# KiCad board hypjolin-main.kicad_pcb
title: The Hypjolin Box; company: Triglav Modular; note: Circuit by Rob Hordijk & Ian Fritz
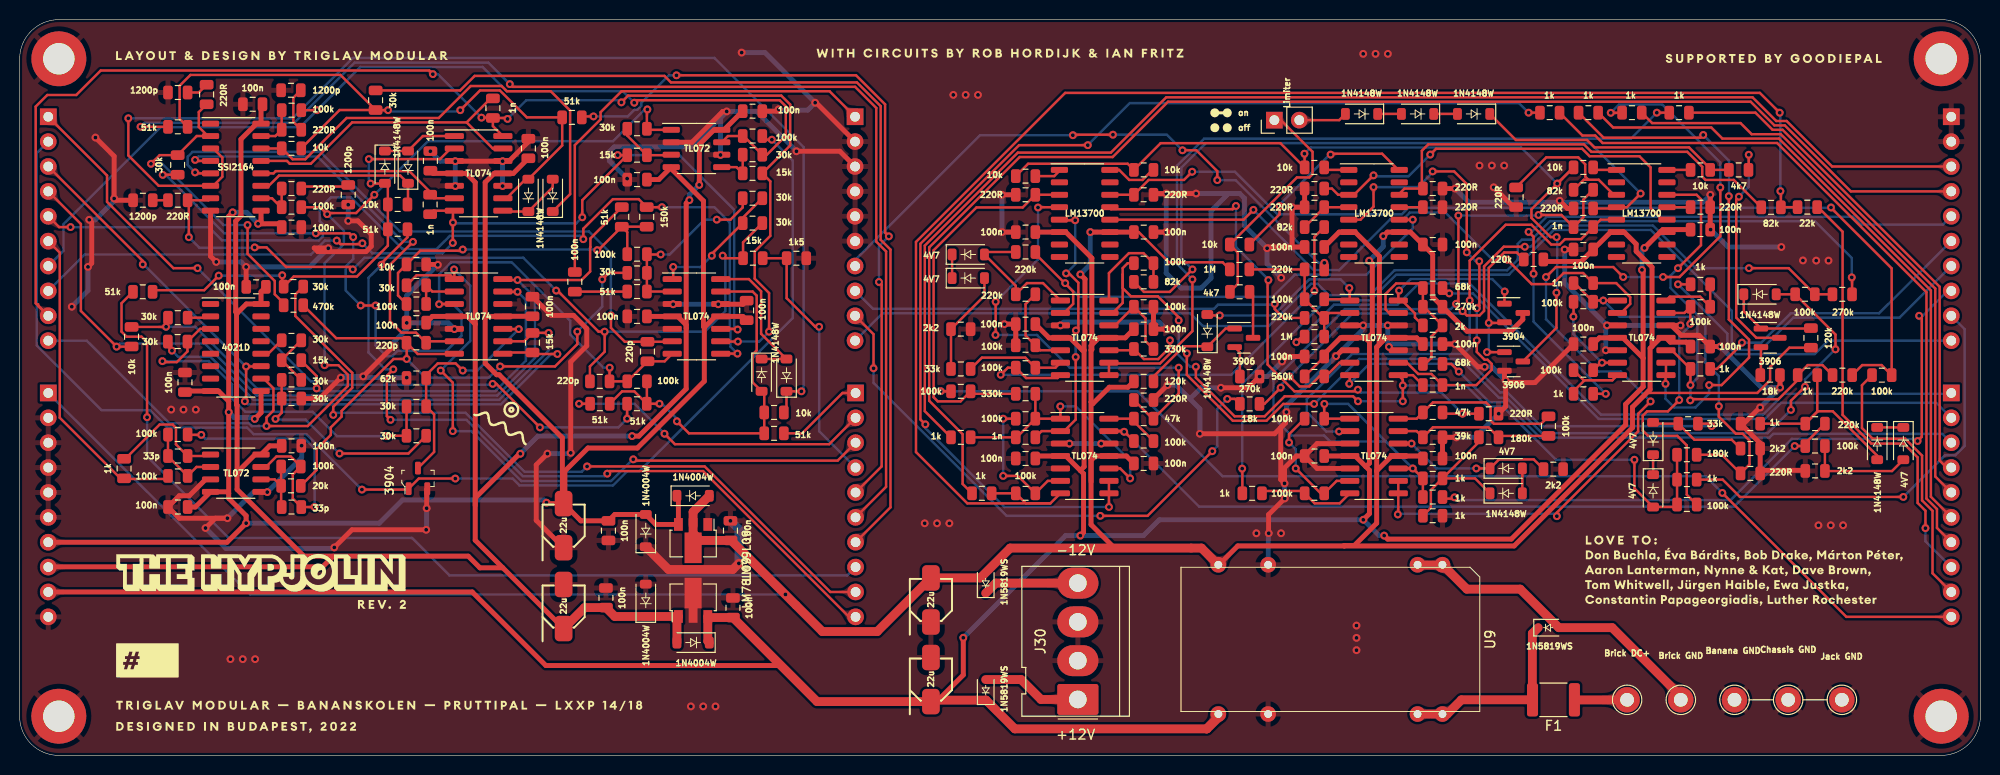
[diagram p0: board, top side]
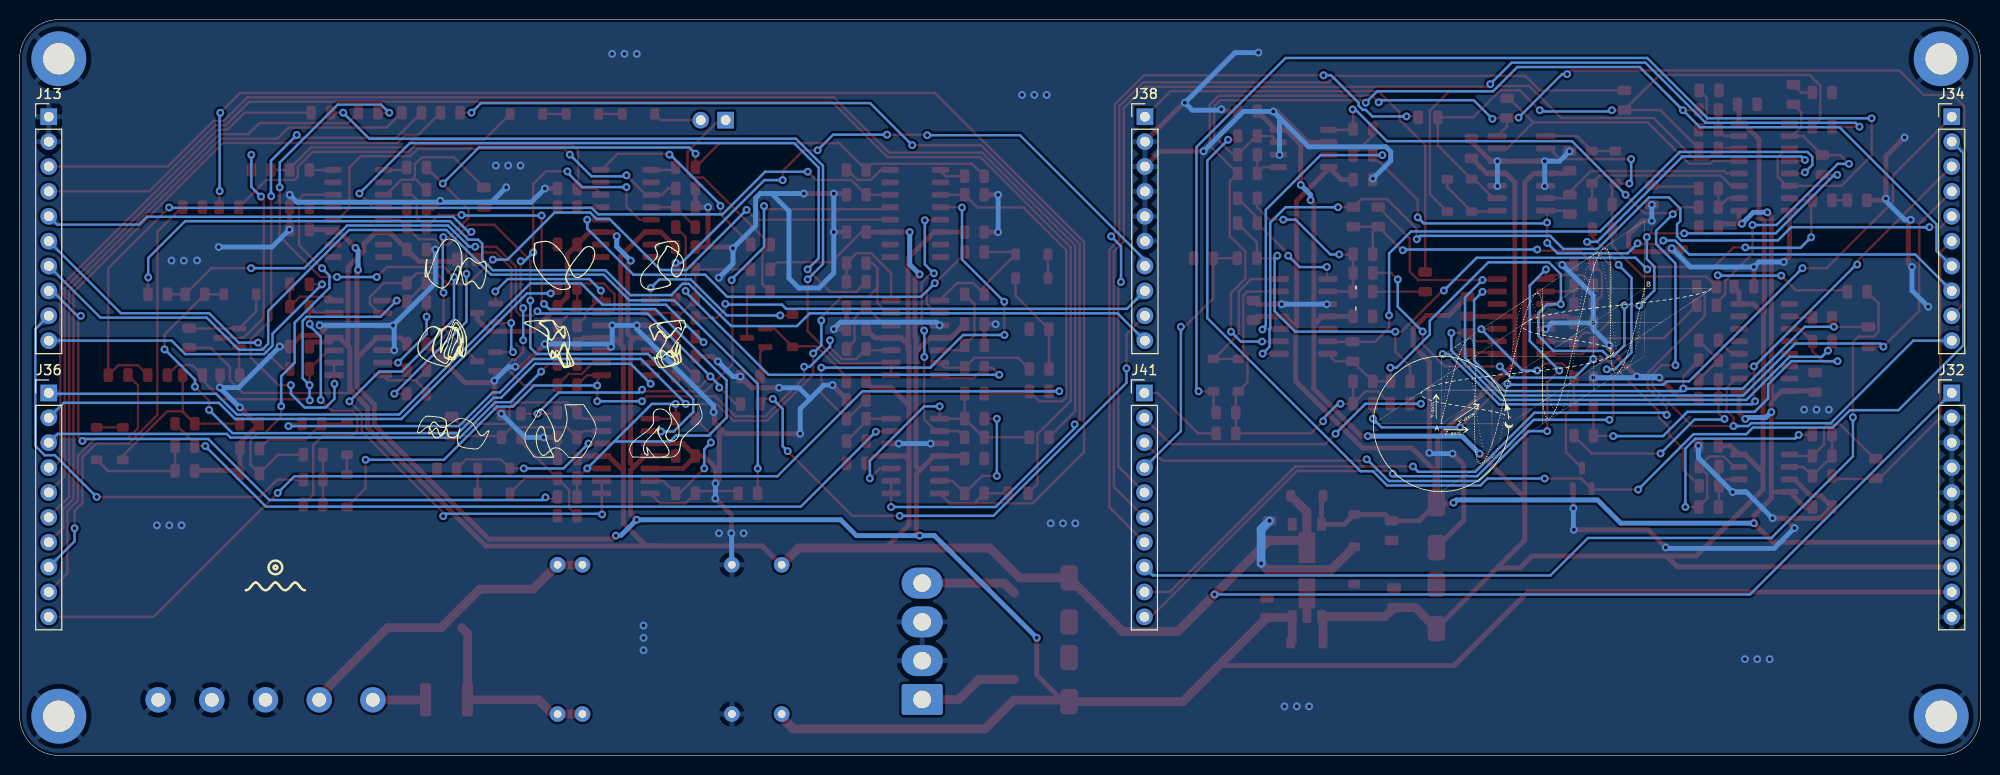
[diagram p1: board, bottom side, seen from below]

Outline 200 x 75.12 mm; copper layers: Top, Bottom. Coordinates in mm from the lower left corner of the outline.
Outline path: 0,71.12 0,4 arc(1.17,1.17) 4,0 196,0 arc(198.83,1.17) 200,4 200,71.12 arc(198.83,73.95) 196,75.12 4,75.12 arc(1.17,73.95) 0,71.12
Stack: Top 0.035mm / dielectric 1.51mm FR4 er 4.5 / Bottom 0.035mm

## Placement (name value [footprint] x y rotation side)
C1  1200p  [C_0805_2012Metric]  27.68 67.91 180 top
C2  1200p  [C_0805_2012Metric]  33.52 57.24 270 top
C3  1n  [C_0805_2012Metric]  48.27 66.08 270 top
C4  1n  [C_0805_2012Metric]  41.88 56.25 270 top
C5  100n  [C_0805_2012Metric]  56.63 48.35 270 top
C6  1200p  [C_0805_2012Metric]  12.57 56.68 0 top
C7  220p  [C_0805_2012Metric]  59.17 38.19 0 top
C8  220p  [C_0805_2012Metric]  64.04 41.23 270 top
C9  1200p  [C_0805_2012Metric]  16.13 67.68 0 top
C10  220p  [C_0805_2012Metric]  40.47 42.13 180 top
C11  100n  [C_0805_2012Metric]  72.76 15.07 90 top
C12  100n  [C_0805_2012Metric]  72.51 22.95 270 top
C13  100n  [C_0805_2012Metric]  59.81 16.09 90 top
C14  100n  [C_0805_2012Metric]  60.06 22.95 90 top
C15  22u  [CAPAE430X610N]  55.49 15.2 90 top
C16  22u  [CAPAE430X610N]  55.49 23.46 90 top
C17  100n  [C_0805_2012Metric]  41.9 60.7 90 top
C18  100n  [C_0805_2012Metric]  51.9 61.97 270 top
C19  100n  [C_0805_2012Metric]  74.76 65.78 0 top
C20  100n  [C_0805_2012Metric]  62.98 58.79 0 top
C21  100n  [C_0805_2012Metric]  23.77 66.48 180 top
C22  100n  [C_0805_2012Metric]  27.73 53.94 180 top
C23  100n  [C_0805_2012Metric]  24.12 47.84 180 top
C24  100n  [C_0805_2012Metric]  16.86 38.09 270 top
C25  100n  [C_0805_2012Metric]  62.98 44.82 180 top
C26  100n  [C_0805_2012Metric]  74.16 45.43 270 top
C27  100n  [C_0805_2012Metric]  40.47 44.19 180 top
C28  100n  [C_0805_2012Metric]  52.31 45.83 270 top
C29  33p  [C_0805_2012Metric]  16.13 30.57 180 top
C30  100n  [C_0805_2012Metric]  27.73 31.6 0 top
C31  100n  [C_0805_2012Metric]  16.13 25.36 0 top
C32  33p  [C_0805_2012Metric]  27.73 25.36 0 top
C33  22u  [CAPAE430X610N]  92.95 7.75 90 top
C34  22u  [CAPAE430X610N]  92.95 15.87 90 top
C35  1n  [C_0805_2012Metric]  144.13 37.81 0 top
C36  1n  [C_0805_2012Metric]  159.5 53.94 0 top
C37  1n  [C_0805_2012Metric]  159.5 48.22 0 top
C38  1n  [C_0805_2012Metric]  102.61 32.47 0 top
C39  100n  [C_0805_2012Metric]  144.13 52.16 0 top
C40  100n  [C_0805_2012Metric]  132.07 51.91 0 top
C41  100n  [C_0805_2012Metric]  171.44 53.68 0 top
C42  100n  [C_0805_2012Metric]  114.65 29.81 180 top
C43  100n  [C_0805_2012Metric]  132.07 40.73 180 top
C44  100n  [C_0805_2012Metric]  114.65 43.52 180 top
C45  100n  [C_0805_2012Metric]  114.65 53.43 0 top
C46  100n  [C_0805_2012Metric]  159.5 51.65 0 top
C47  100n  [C_0805_2012Metric]  102.61 44.03 180 top
C48  100n  [C_0805_2012Metric]  144.13 42 180 top
C49  100n  [C_0805_2012Metric]  132.07 30.57 180 top
C50  100n  [C_0805_2012Metric]  171.44 41.75 180 top
C51  100n  [C_0805_2012Metric]  102.61 30.31 180 top
C52  100n  [C_0805_2012Metric]  102.61 53.43 0 top
C53  100n  [C_0805_2012Metric]  159.5 42 180 top
C54  100n  [C_0805_2012Metric]  144.13 30.31 180 top
D1  1N4148W  [D_SOD-123]  51.9 57.18 90 top
D2  1N4148W  [D_SOD-123]  37.26 60.06 270 top
D3  1N4148W  [D_SOD-123]  54.38 57.18 90 top
D4  1N4148W  [D_SOD-123]  39.61 60.06 90 top
D5  1N4148W  [D_SOD-123]  75.68 38.82 270 top
D6  1N4148W  [D_SOD-123]  78.22 38.82 90 top
D7  1N4004W  [D_SOD-123]  68.7 26.5 0 top
D8  1N4004W  [D_SOD-123]  68.7 11.52 180 top
D9  1N4004W  [D_SOD-123]  63.87 15.84 90 top
D10  1N4004W  [D_SOD-123]  63.87 22.95 90 top
D12  1N5819WS  [D_SOD-323]  98.54 6.69 90 top
D13  1N5819WS  [D_SOD-323]  98.54 17.62 90 top
D14  1N4148W  [D_SOD-123]  121.15 43.37 90 top
D15  4V7  [D_SOD-123]  96.76 51.14 0 top
D16  1N4148W  [D_SOD-123]  177.52 47.08 0 top
D17  4V7  [D_SOD-123]  96.76 48.73 0 top
D18  1N4148W  [D_SOD-123]  136.88 65.49 180 top
D19  1N4148W  [D_SOD-123]  142.59 65.49 180 top
D20  1N4148W  [D_SOD-123]  148.31 65.49 180 top
D21  4V7  [D_SOD-123]  166.61 27.01 270 top
D22  4V7  [D_SOD-123]  166.61 32.35 90 top
D23  1N4148W  [D_SOD-123]  151.63 26.76 0 top
D24  4V7  [D_SOD-123]  151.63 29.3 0 top
D25  1N4148W  [D_SOD-123]  189.47 31.84 270 top
D26  4V7  [D_SOD-123]  192.14 31.84 270 top
D33  1N5819WS  [D_SOD-323]  155.95 13.04 0 top
F1  mSMD030  [Fuse_1812_4532Metric]  156.45 5.68 180 top
G***  -  [LOGO]  38.58 5.15 0 top
G***#2  -  [LOGO]  24.74 2.99 0 top
G***#3  -  [LOGO]  33.05 18.8 0 top
G***#4  -  [LOGO]  106.32 71.73 0 top
G***#5  -  [LOGO]  186.07 71.19 0 top
G***#6  -  [LOGO]  176.02 18.81 0 top
G***#7  -  [LOGO]  49.42 15.44 0 top
G***#8  -  [LOGO]  19.24 9.38 0 top
G***#9  -  [LOGO]  30.66 71.47 0 top
G***#10  -  [LOGO]  144.96 41.27 180 bottom
G***#11  -  [LOGO]  45.35 40.66 180 bottom
IC1  4021D  [SO-16_3.9x9.9mm_P1.27mm]  22.05 41.65 0 top
IC2  TL074  [SO-14_3.9x8.65mm_P1.27mm]  46.82 59.43 0 top
IC3  SSI2164  [SO-16_3.9x9.9mm_P1.27mm]  22.05 60.06 0 top
IC4  TL072  [SO-8_3.9x4.9mm_P1.27mm]  69.04 61.97 0 top
IC5  TL074  [SO-14_3.9x8.65mm_P1.27mm]  46.82 44.82 0 top
IC6  TL074  [SO-14_3.9x8.65mm_P1.27mm]  69.04 44.82 0 top
IC7  LM78L09  [SOT-89-3]  68.7 15.84 90 top
IC8  LM79L09  [SOT-89-3]  68.7 21.93 270 top
IC9  TL072  [SO-8_3.9x4.9mm_P1.27mm]  22.05 28.81 0 top
J13  CONN_4_M  [PinHeader_1x10_P2.54mm_Vertical]  197.03 65.21 180 bottom
J14  Limiter  [PinHeader_1x02_P2.54mm_Vertical]  127.98 64.86 90 top
J26  Banana GND  [Pin_D1.4mm_L8.5mm_W2.8mm_FlatFork]  174.92 5.68 0 top
J27  Chassis GND  [Pin_D1.4mm_L8.5mm_W2.8mm_FlatFork]  180.39 5.68 0 top
J28  Brick DC+  [Pin_D1.4mm_L8.5mm_W2.8mm_FlatFork]  163.97 5.68 0 top
J29  Brick GND  [Pin_D1.4mm_L8.5mm_W2.8mm_FlatFork]  169.44 5.68 0 top
J30  Conn_01x04_Male  [Molex_KK-396_5273-04A_1x04_P3.96mm_Vertical_copy]  107.94 5.71 90 top
J32  CONN_5_M  [PinHeader_1x10_P2.54mm_Vertical]  2.92 37.01 180 bottom
J34  CONN_2_M  [PinHeader_1x10_P2.54mm_Vertical]  2.92 65.21 180 bottom
J36  CONN_6_M  [PinHeader_1x10_P2.54mm_Vertical]  197.03 37.01 180 bottom
J38  CONN_1_M  [PinHeader_1x10_P2.54mm_Vertical]  85.22 65.21 180 bottom
J41  CONN_3_M  [PinHeader_1x10_P2.54mm_Vertical]  85.27 37.01 180 bottom
J42  Jack GND  [Pin_D1.4mm_L8.5mm_W2.8mm_FlatFork]  185.87 5.68 0 top
Q1  3904  [SOT-23-3]  40.63 28.28 90 top
Q2  3906  [SOT-23]  124.87 42.63 0 top
Q3  3904  [SOT-23]  152.39 45.17 0 top
Q4  3906  [SOT-23]  178.55 42.63 0 top
Q5  3906  [SOT-23]  152.39 40.22 0 top
R1  51k  [R_0805_2012Metric]  56.34 65.14 180 top
R2  51k  [R_0805_2012Metric]  38.56 53.71 180 top
R3  30k  [R_0805_2012Metric]  36.31 66.89 270 top
R4  51k  [R_0805_2012Metric]  16.13 64.18 0 top
R5  30k  [R_0805_2012Metric]  27.93 47.86 180 top
R6  51k  [R_0805_2012Metric]  12.56 47.33 0 top
R7  10k  [R_0805_2012Metric]  27.73 61.98 180 top
R8  10k  [R_0805_2012Metric]  38.56 56.25 0 top
R9  220R  [R_0805_2012Metric]  27.73 63.88 180 top
R10  220R  [R_0805_2012Metric]  27.73 57.87 180 top
R11  100k  [R_0805_2012Metric]  27.73 65.88 0 top
R12  100k  [R_0805_2012Metric]  27.73 55.97 0 top
R13  15k  [R_0805_2012Metric]  74.76 59.43 180 top
R14  15k  [R_0805_2012Metric]  62.98 61.28 0 top
R15  30k  [R_0805_2012Metric]  74.76 61.33 0 top
R16  30k  [R_0805_2012Metric]  62.98 63.98 0 top
R17  100k  [R_0805_2012Metric]  74.76 63.24 0 top
R19  30k  [R_0805_2012Metric]  16.12 42.25 0 top
R20  30k  [R_0805_2012Metric]  40.47 35.63 180 top
R21  62k  [R_0805_2012Metric]  40.47 38.53 0 top
R22  15k  [R_0805_2012Metric]  52.31 42.13 90 top
R23  30k  [R_0805_2012Metric]  16.13 44.69 0 top
R24  30k  [R_0805_2012Metric]  27.73 42.38 180 top
R25  30k  [R_0805_2012Metric]  40.47 32.63 180 top
R26  15k  [R_0805_2012Metric]  27.73 40.35 0 top
R27  30k  [R_0805_2012Metric]  27.73 38.34 0 top
R28  30k  [R_0805_2012Metric]  27.73 36.43 180 top
R29  10k  [R_0805_2012Metric]  11.42 42.75 90 top
R30  51k  [R_0805_2012Metric]  62.98 47.36 0 top
R31  100k  [R_0805_2012Metric]  62.98 51.17 0 top
R32  30k  [R_0805_2012Metric]  62.98 49.27 180 top
R33  30k  [R_0805_2012Metric]  74.76 56.89 0 top
R34  30k  [R_0805_2012Metric]  74.76 54.35 0 top
R35  51k  [R_0805_2012Metric]  61.42 54.98 270 top
R36  150k  [R_0805_2012Metric]  63.96 54.98 270 top
R37  220R  [R_0805_2012Metric]  16.13 56.68 0 top
R38  10k  [R_0805_2012Metric]  40.47 50.13 180 top
R39  15k  [R_0805_2012Metric]  74.79 50.76 180 top
R40  1k5  [R_0805_2012Metric]  79.24 50.76 180 top
R41  51k  [R_0805_2012Metric]  59.19 35.9 0 top
R42  51k  [R_0805_2012Metric]  76.95 32.88 180 top
R43  51k  [R_0805_2012Metric]  62.97 35.9 0 top
R44  100k  [R_0805_2012Metric]  40.47 46.09 0 top
R45  100k  [R_0805_2012Metric]  62.98 38.19 180 top
R46  10k  [R_0805_2012Metric]  76.95 35.01 0 top
R47  30k  [R_0805_2012Metric]  16.12 60.29 90 top
R48  30k  [R_0805_2012Metric]  40.47 48 180 top
R49  220R  [R_0805_2012Metric]  19.08 67.48 270 top
R50  470k  [R_0805_2012Metric]  27.93 45.96 0 top
R51  82k  [R_0805_2012Metric]  178.65 55.96 180 top
R52  220R  [R_0805_2012Metric]  144.13 57.87 180 top
R53  220R  [R_0805_2012Metric]  144.13 55.97 180 top
R54  220k  [R_0805_2012Metric]  132.07 49.62 0 top
R55  220k  [R_0805_2012Metric]  132.07 44.67 180 top
R56  270k  [R_0805_2012Metric]  125.47 35.89 180 top
R57  1M  [R_0805_2012Metric]  132.07 42.76 180 top
R58  68k  [R_0805_2012Metric]  144.13 47.71 0 top
R59  270k  [R_0805_2012Metric]  185.91 47.07 0 top
R60  68k  [R_0805_2012Metric]  144.13 39.97 0 top
R61  1M  [R_0805_2012Metric]  124.43 49.62 0 top
R62  1k  [R_0805_2012Metric]  10.66 29.29 270 top
R63  100k  [R_0805_2012Metric]  16.13 32.76 180 top
R64  100k  [R_0805_2012Metric]  16.13 28.54 180 top
R65  100k  [R_0805_2012Metric]  27.68 29.5 0 top
R66  20k  [R_0805_2012Metric]  27.68 27.52 180 top
R67  220k  [R_0805_2012Metric]  102.61 51.4 0 top
R68  100k  [R_0805_2012Metric]  132.07 46.57 180 top
R69  560k  [R_0805_2012Metric]  132.07 38.7 0 top
R70  270k  [R_0805_2012Metric]  144.13 45.81 180 top
R71  120k  [R_0805_2012Metric]  114.65 38.19 180 top
R72  100k  [R_0805_2012Metric]  182.11 47.08 0 top
R73  2k  [R_0805_2012Metric]  144.13 43.9 0 top
R74  120k  [R_0805_2012Metric]  182.71 42.62 270 top
R75  10k  [R_0805_2012Metric]  124.43 52.16 180 top
R76  4k7  [R_0805_2012Metric]  124.45 47.33 0 top
R77  18k  [R_0805_2012Metric]  125.47 38.68 0 top
R78  2k2  [R_0805_2012Metric]  96 43.52 0 top
R79  120k  [R_0805_2012Metric]  154.42 50.63 0 top
R80  33k  [R_0805_2012Metric]  96 39.46 0 top
R81  4k7  [R_0805_2012Metric]  175.34 59.78 0 top
R82  18k  [R_0805_2012Metric]  178.55 38.82 0 top
R83  220k  [R_0805_2012Metric]  102.61 47.08 0 top
R84  100k  [R_0805_2012Metric]  102.61 41.87 0 top
R85  100k  [R_0805_2012Metric]  102.61 39.59 180 top
R86  82k  [R_0805_2012Metric]  132.07 53.94 180 top
R87  220R  [R_0805_2012Metric]  132.07 55.97 0 top
R88  2k2  [R_0805_2012Metric]  176.54 31.33 0 top
R89  220R  [R_0805_2012Metric]  132.07 57.87 0 top
R90  1k  [R_0805_2012Metric]  144.13 28.28 0 top
R91  1k  [R_0805_2012Metric]  144.13 24.47 0 top
R92  330k  [R_0805_2012Metric]  114.65 41.49 180 top
R93  33k  [R_0805_2012Metric]  170.19 33.87 180 top
R94  100k  [R_0805_2012Metric]  114.65 45.81 0 top
R95  10k  [R_0805_2012Metric]  132.07 60.03 0 top
R96  180k  [R_0805_2012Metric]  149.85 32.47 0 top
R97  10k  [R_0805_2012Metric]  171.44 59.78 0 top
R98  1k  [R_0805_2012Metric]  182.36 38.82 0 top
R99  1k  [R_0805_2012Metric]  176.54 33.87 180 top
R100  100k  [R_0805_2012Metric]  114.65 50.25 180 top
R101  2k2  [R_0805_2012Metric]  156.44 29.22 0 top
R102  220R  [R_0805_2012Metric]  171.44 55.97 180 top
R103  82k  [R_0805_2012Metric]  114.65 48.35 0 top
R104  180k  [R_0805_2012Metric]  170.06 30.7 180 top
R105  220R  [R_0805_2012Metric]  176.54 28.79 180 top
R106  39k  [R_0805_2012Metric]  144.13 32.47 0 top
R107  100k  [R_0805_2012Metric]  170.06 25.62 180 top
R108  220R  [R_0805_2012Metric]  159.5 55.84 180 top
R109  1k  [R_0805_2012Metric]  170.06 28.16 180 top
R110  2k2  [R_0805_2012Metric]  183.14 29.05 0 top
R111  220R  [R_0805_2012Metric]  152.64 56.99 270 top
R112  82k  [R_0805_2012Metric]  159.5 57.75 0 top
R113  100k  [R_0805_2012Metric]  155.95 33.62 90 top
R114  100k  [R_0805_2012Metric]  183.14 31.58 180 top
R115  220k  [R_0805_2012Metric]  183.14 33.87 0 top
R116  100k  [R_0805_2012Metric]  171.44 45.81 180 top
R117  1k  [R_0805_2012Metric]  169.26 65.62 180 top
R118  10k  [R_0805_2012Metric]  159.5 60.03 0 top
R119  47k  [R_0805_2012Metric]  144.13 35.01 0 top
R120  1k  [R_0805_2012Metric]  171.44 48.09 0 top
R121  220R  [R_0805_2012Metric]  149.85 34.89 180 top
R122  100k  [R_0805_2012Metric]  114.65 32.09 0 top
R123  220R  [R_0805_2012Metric]  114.65 57.24 180 top
R124  220k  [R_0805_2012Metric]  185.92 38.82 0 top
R125  47k  [R_0805_2012Metric]  114.65 34.38 0 top
R126  220R  [R_0805_2012Metric]  114.65 36.28 180 top
R127  100k  [R_0805_2012Metric]  96 37.17 0 top
R128  100k  [R_0805_2012Metric]  189.95 38.82 0 top
R129  1k  [R_0805_2012Metric]  144.13 26.38 0 top
R130  100k  [R_0805_2012Metric]  132.07 34.38 0 top
R131  10k  [R_0805_2012Metric]  114.65 59.78 0 top
R133  1k  [R_0805_2012Metric]  164.45 65.62 180 top
R134  100k  [R_0805_2012Metric]  132.07 26.76 0 top
R135  220R  [R_0805_2012Metric]  102.61 57.24 0 top
R136  1k  [R_0805_2012Metric]  125.72 26.76 0 top
R137  1k  [R_0805_2012Metric]  171.44 39.46 0 top
R138  100k  [R_0805_2012Metric]  159.5 46.32 0 top
R139  10k  [R_0805_2012Metric]  102.61 59.14 0 top
R141  100k  [R_0805_2012Metric]  159.5 39.33 0 top
R142  1k  [R_0805_2012Metric]  160.01 65.62 180 top
R143  330k  [R_0805_2012Metric]  102.61 36.92 180 top
R144  1k  [R_0805_2012Metric]  159.5 36.92 180 top
R145  1k  [R_0805_2012Metric]  96 32.47 180 top
R146  100k  [R_0805_2012Metric]  102.61 34.38 0 top
R147  1k  [R_0805_2012Metric]  156.07 65.62 180 top
R148  22k  [R_0805_2012Metric]  182.35 55.97 180 top
R149  100k  [R_0805_2012Metric]  102.61 26.76 0 top
R150  1k  [R_0805_2012Metric]  98.14 26.76 180 top
REF**  -  [MountingHole_3.2mm_M3_DIN965_Pad]  4 4 0 top
REF**#2  -  [MountingHole_3.2mm_M3_DIN965_Pad]  196 71.12 180 top
REF**#3  -  [MountingHole_3.2mm_M3_DIN965_Pad]  4 71.12 270 top
REF**#4  -  [MountingHole_3.2mm_M3_DIN965_Pad]  196 4 90 top
U1  LM13700  [SO-16_3.9x9.9mm_P1.27mm]  138.15 55.33 0 top
U2  LM13700  [SO-16_3.9x9.9mm_P1.27mm]  165.45 55.33 0 top
U3  TL074  [SO-14_3.9x8.65mm_P1.27mm]  138.15 42.63 0 top
U4  TL074  [SO-14_3.9x8.65mm_P1.27mm]  108.64 42.63 0 top
U5  LM13700  [SO-16_3.9x9.9mm_P1.27mm]  108.64 55.33 0 top
U6  TL074  [SO-14_3.9x8.65mm_P1.27mm]  138.15 30.57 0 top
U7  TL074  [SO-14_3.9x8.65mm_P1.27mm]  165.45 42.63 0 top
U8  TL074  [SO-14_3.9x8.65mm_P1.27mm]  108.64 30.57 0 top
U9  DJ06D2412A  [DIP-24_W15.24mm]  147.67 19.46 270 top

## Library data of the parts
C15 C16 C33 C34 = -: Description: Aluminum Electrolytic Capacitors - SMD 10VDC 47uF 20% 90mA AEC-Q200; Arrow Part Number: EEE-FN1A470UR; Arrow Price/Stock: https://www.arrow.com/en/products/eee-fn1a470ur/panasonic; Height: 6.1; Manufacturer_Name: Panasonic; Manufacturer_Part_Number: EEEFN1C220R; Mouser Part Number: 667-EEE-FN1A470UR; Mouser Price/Stock: https://www.mouser.co.uk/ProductDetail/Panasonic/EEE-FN1A470UR?qs=OlC7AqGiEDlZjloUmme03Q%3D%3D
Q1 = -: Description: TRANS NPN 40V 0.2A SOT23; Category: Discrete Semiconductor Products; DK_Datasheet_Link: http://www.onsemi.com/pub/Collateral/MMBT3904LT1-D.PDF; DK_Detail_Page: /product-detail/en/on-semiconductor/MMBT3904LT1G/MMBT3904LT1GOSCT-ND/1139813; Digi-Key_PN: MMBT3904LT1GOSCT-ND; Family: Transistors - Bipolar (BJT) - Single; MPN: MMBT3904LT1G; Manufacturer: ON Semiconductor; Status: Active

## Footprints (pads in the part's own frame, mm; a bottom-side part is the same pattern mirrored in y, then rotated)
C_0805_2012Metric
  rrect 0.975x1.4 smd: 1(-1,0) 2(1,0)
CAPAE430X610N
  rrect 2.6x1.8 smd: 1(-2.25,0) 2(2.25,0)
D_SOD-123
  rrect 0.9x1.2 smd: 1(-1.65,0) 2(1.65,0)
D_SOD-323
  rect 0.6x0.45 smd: 1(-1.05,0) 2(1.05,0)
DIP-24_W15.24mm
  oval 1.6x1.6 hole 0.8: 2(0,-2.54) 3(0,-5.08) 9(0,-20.32) 11(0,-25.4) 14(15.24,-25.4) 16(15.24,-20.32) 22(15.24,-5.08) 23(15.24,-2.54)
Fuse_1812_4532Metric
  rrect 1.125x3.4 smd: 1(-2.138,0) 2(2.138,0)
Molex_KK-396_5273-04A_1x04_P3.96mm_Vertical_copy
  rrect 3.16x4.2 hole 1.8: 1(0,0)
  oval 3.16x4.2 hole 1.8: 2(3.96,0) 3(7.92,0) 4(11.88,0)
MountingHole_3.2mm_M3_DIN965_Pad
  round 5.6 hole 3.2: 1(0,0)
Pin_D1.4mm_L8.5mm_W2.8mm_FlatFork
  round 2.6 hole 1.4: 1(0,0)
PinHeader_1x02_P2.54mm_Vertical
  rect 1.7x1.7 hole 1: 1(0,0)
  oval 1.7x1.7 hole 1: 2(0,-2.54)
PinHeader_1x10_P2.54mm_Vertical
  rect 1.7x1.7 hole 1: 1(0,0)
  oval 1.7x1.7 hole 1: 2(0,-2.54) 3(0,-5.08) 4(0,-7.62) 5(0,-10.16) 6(0,-12.7) 7(0,-15.24) 8(0,-17.78) 9(0,-20.32) 10(0,-22.86)
R_0805_2012Metric
  rrect 0.975x1.4 smd: 1(-1,0) 2(1,0)
SO-8_3.9x4.9mm_P1.27mm
  rrect 1.75x0.6 smd: 1(-2.575,1.905) 2(-2.575,0.635) 3(-2.575,-0.635) 4(-2.575,-1.905) 5(2.575,-1.905) 6(2.575,-0.635) 7(2.575,0.635) 8(2.575,1.905)
SO-14_3.9x8.65mm_P1.27mm
  rrect 1.95x0.6 smd: 1(-2.475,3.81) 2(-2.475,2.54) 3(-2.475,1.27) 4(-2.475,0) 5(-2.475,-1.27) 6(-2.475,-2.54) 7(-2.475,-3.81) 8(2.475,-3.81) 9(2.475,-2.54) 10(2.475,-1.27) 11(2.475,0) 12(2.475,1.27) 13(2.475,2.54) 14(2.475,3.81)
SO-16_3.9x9.9mm_P1.27mm
  rrect 1.75x0.6 smd: 1(-2.575,4.445) 2(-2.575,3.175) 3(-2.575,1.905) 4(-2.575,0.635) 5(-2.575,-0.635) 6(-2.575,-1.905) 7(-2.575,-3.175) 8(-2.575,-4.445) 9(2.575,-4.445) 10(2.575,-3.175) 11(2.575,-1.905) 12(2.575,-0.635) 13(2.575,0.635) 14(2.575,1.905) 15(2.575,3.175) 16(2.575,4.445)
SOT-23
  rrect 1.475x0.6 smd: 1(-0.938,0.95) 2(-0.938,-0.95) 3(0.938,0)
SOT-23-3
  rrect 1.3x0.6 smd: 1(-1.05,0.95) 2(-1.05,-0.95) 3(1.05,0)
SOT-89-3
  rect 1.3x0.9 smd: 1(-1.65,1.5) 3(-1.65,-1.5)
  custom 4.6x1.733 smd: 2(-1.562,0)

## Nets
GND: C1.2 C2.2 C6.1 C9.1 C11.2 C12.1 C13.2 C14.1 C15.2 C16.1 C17.2 C18.1 C19.2 C20.1 C21.2 C22.1 C23.2 C24.1 C25.2 C26.1 C27.2 C28.1 C30.2 C31.1 C33.2 C34.1 C39.2 C40.1 C41.2 C42.1 C43.2 C44.1 C45.2 C46.1 C47.2 C48.1 C49.2 C50.1 C51.2 C52.1 C53.2 C54.1 D9.2 D10.1 IC2.3 IC2.5 IC2.10 IC2.12 IC3.8 IC4.2 IC4.6 IC5.5 IC5.12 IC6.3 IC6.5 IC6.12 IC7.2 IC8.1 IC9.3 IC9.5 J13.1 J13.2 J26.1 J27.1 J30.2 J30.3 J32.2 J32.3 J32.4 J32.5 J32.6 J32.10 J38.2 J38.3 J38.4 J38.5 J38.6 J42.1 Q1.2 Q5.2 R21.1 R28.1 R38.1 R40.1 R52.1 R53.1 R77.2 R78.2 R82.2 R84.1 R87.1 R88.2 R89.1 R91.2 R94.2 R99.2 R101.2 R102.1 R105.1 R106.2 R108.2 R110.1 R111.2 R121.1 R123.1 R126.1 R135.1 REF**.1 REF**#2.1 REF**#3.1 REF**#4.1 U3.3 U3.5 U3.10 U3.12 U4.3 U6.3 U6.5 U7.3 U7.5 U7.12 U8.3 U8.5 U8.12 U9.9 U9.16
VCC: C11.1 C33.1 C39.1 C41.1 C43.1 C45.1 C47.1 C49.1 C51.1 C53.1 D8.1 D12.1 IC7.3 J32.9 Q3.3 R61.1 R69.1 R70.1 U1.11 U2.11 U3.4 U4.4 U5.11 U6.4 U7.4 U8.4 U9.14
VEE: C12.2 C34.2 C40.2 C42.2 C44.2 C46.2 C48.2 C50.2 C52.2 C54.2 D7.2 D13.2 IC8.2 J32.1 R71.2 R74.2 R79.2 U1.6 U2.6 U3.11 U4.11 U5.6 U6.11 U7.11 U8.11 U9.11
/-X': R51.1 R148.2 R149.1 R150.1 U8.7
/cv_f_pot: J41.2 R41.1
/damp_mod_pot: J38.9 R56.2
/damp_pot: J38.10 R59.2
/ext_in: C5.1 J38.1
/F_CV: D6.1 IC3.3 IC3.6 R46.2
/fine_pot: J36.1 R57.2
/freq_a_pot: J41.7 R3.1
/freq_b_pot: J41.9 R5.1
/freq_cv_a_pot: J41.5 R1.1
/freq_cv_b_pot: J41.10 R2.1
/freq_f_pot: J34.1 R43.1
/gain_mod_pot: J38.7 R54.2
/gain_pot: J38.8 R55.2
/LEDU: J36.4 R117.1
/LEDX: J36.7 R147.1
/LEDY: J36.6 R142.1
/LEDZ: J36.5 R133.1
/offset_switch: J34.2 Q1.1 R17.2
/OUT: C10.2 IC5.7 R32.2 R50.2 R66.1
/out -U: J13.10 R120.1
/out -X: J13.4 R150.2
/out -Y: J13.5 R144.1
/out -Z: J13.7 R136.1
/out U: J13.9 R109.1
/out X: J13.3 R145.2
/out Y: J13.6 R137.2
/out Z: J13.8 R129.2
/OUT_AMP: J34.6 R62.2 R64.2
/P1: IC4.7 J34.7 R11.2 R15.2 R17.1
/P2: IC1.10 IC4.1 J34.10 R12.2 R16.2
/PWM: IC6.8 J34.5 R36.1
/rate_mod_pot: J36.2 R58.2
/rate_pot: J36.3 R60.2
/reso_pot_A: J41.4 R39.1 R40.2
/reso_pot_B: IC5.1 J41.3 R48.2
/run_a_pot: J41.6 R4.1
/run_b_pot: J41.8 R6.1
/RUN_CV: IC5.14 J34.4 R29.1 R35.1
/run_f_pot: J41.1 R42.1
/shape_IN1: J36.10 R127.1
/shape_IN2: J36.9 R128.1
/shape_OUT: J36.8 R148.1
/T1: C3.2 IC2.14 IC6.9 J34.9 R13.1
/T2: C4.2 IC2.7 IC6.10 J34.8 R14.1
/V+: C13.1 C15.1 C17.1 C19.1 C21.1 C23.1 C25.1 C27.1 C30.1 D8.2 D9.1 IC1.16 IC2.4 IC3.16 IC4.8 IC5.4 IC6.4 IC7.1 IC9.8 J32.8
/V-: C14.2 C16.2 C18.2 C20.2 C22.2 C24.2 C26.2 C28.2 C31.2 D7.1 D10.2 IC1.8 IC1.9 IC2.11 IC3.9 IC4.4 IC5.11 IC6.11 IC8.3 IC9.4 J32.7
/XOR: IC1.11 IC5.8 J34.3 R22.1
Net-(C1-Pad1): C1.1 R9.1
Net-(C2-Pad1): C2.1 R10.1
Net-(C3-Pad1): C3.1 IC2.13 IC3.13
Net-(C4-Pad1): C4.1 IC2.6 IC3.12
Net-(C5-Pad2): C5.2 R30.1
Net-(C6-Pad2): C6.2 R37.1
Net-(C7-Pad1): C7.1 IC3.7 R34.2 R37.2 R39.2
Net-(C7-Pad2): C7.2 C8.2 IC5.3 IC6.7 R45.2 R47.1
Net-(C8-Pad1): C8.1 IC3.5 IC6.6
Net-(C9-Pad2): C9.2 R49.1
Net-(C10-Pad1): C10.1 IC3.4 IC5.6
Net-(C29-Pad1): C29.1 IC9.1 R62.1
Net-(C29-Pad2): C29.2 IC9.2 R63.2 R64.1
Net-(C32-Pad1): C32.1 IC9.6 R65.1 R66.2
Net-(C32-Pad2): C32.2 IC9.7 R63.1 R65.2
Net-(C35-Pad1): C35.1 D21.2 R92.2 R104.2 R107.2 R109.2 U3.8 U4.10
Net-(C35-Pad2): C35.2 U1.5 U3.9
Net-(C36-Pad1): C36.1 R90.1 R112.2 R129.1 R130.2 U6.1 U6.10
Net-(C36-Pad2): C36.2 U2.5 U6.2
Net-(C37-Pad1): C37.1 R98.1 R124.1 R137.1 R138.2 U7.1 U7.10
Net-(C37-Pad2): C37.2 U5.12 U7.2
Net-(C38-Pad1): C38.1 R143.1 R145.1 R146.2 U8.1 U8.10
Net-(C38-Pad2): C38.2 U5.5 U8.2
Net-(D1-Pad1): D1.1 D3.2 IC2.8
Net-(D1-Pad2): D1.2 IC2.9 R1.2 R3.2 R4.2 R7.1
Net-(D2-Pad1): D2.1 D4.2 IC2.1
Net-(D2-Pad2): D2.2 IC2.2 R2.2 R5.2 R6.2 R8.1
Net-(D3-Pad1): D3.1 IC3.14 R7.2
Net-(D4-Pad1): D4.1 IC3.11 R8.2
Net-(D5-Pad1): D5.1 D6.2 IC6.14
Net-(D5-Pad2): D5.2 IC6.13 R41.2 R42.2 R43.2 R45.1 R46.1
Net-(D12-Pad2): D12.2 J30.1
Net-(D13-Pad1): D13.1 J30.4
Net-(D14-Pad1): D14.1 Q2.1 R71.1
Net-(D14-Pad2): D14.2 R68.1 U3.1
Net-(D15-Pad1): D15.1 D17.1
Net-(D15-Pad2): D15.2 R67.1 R83.1 U4.1
Net-(D16-Pad1): D16.1 Q4.1 R74.1
Net-(D16-Pad2): D16.2 R72.1 U3.7
Net-(D17-Pad2): D17.2 R78.1 R80.1
Net-(D18-Pad1): D18.1 D19.2
Net-(D18-Pad2): D18.2 J14.2
Net-(D19-Pad1): D19.1 D20.2
Net-(D20-Pad1): D20.1 R81.1 R97.2
Net-(D21-Pad1): D21.1 D22.1
Net-(D22-Pad2): D22.2 R88.1 R93.2
Net-(D23-Pad1): D23.1 R90.2 R91.1 R96.1
Net-(D23-Pad2): D23.2 D24.2
Net-(D24-Pad1): D24.1 R101.1 U6.12
Net-(D25-Pad1): D25.1 D26.1
Net-(D25-Pad2): D25.2 R98.2 R99.1 R115.1